# Altium PCB ssmaster.PcbDoc (part 3 of 3)
Units mil, origin at the board's own origin, x right, y up, seen from the top; angles counter-clockwise.
Board outline 3937.01 x 2755.91 mil, 4 copper layers (Top Layer, Ground Plane 1, Mid-Layer 1, Bottom Layer); 130 components, 268 nets, 1033 pads, 451 vias.
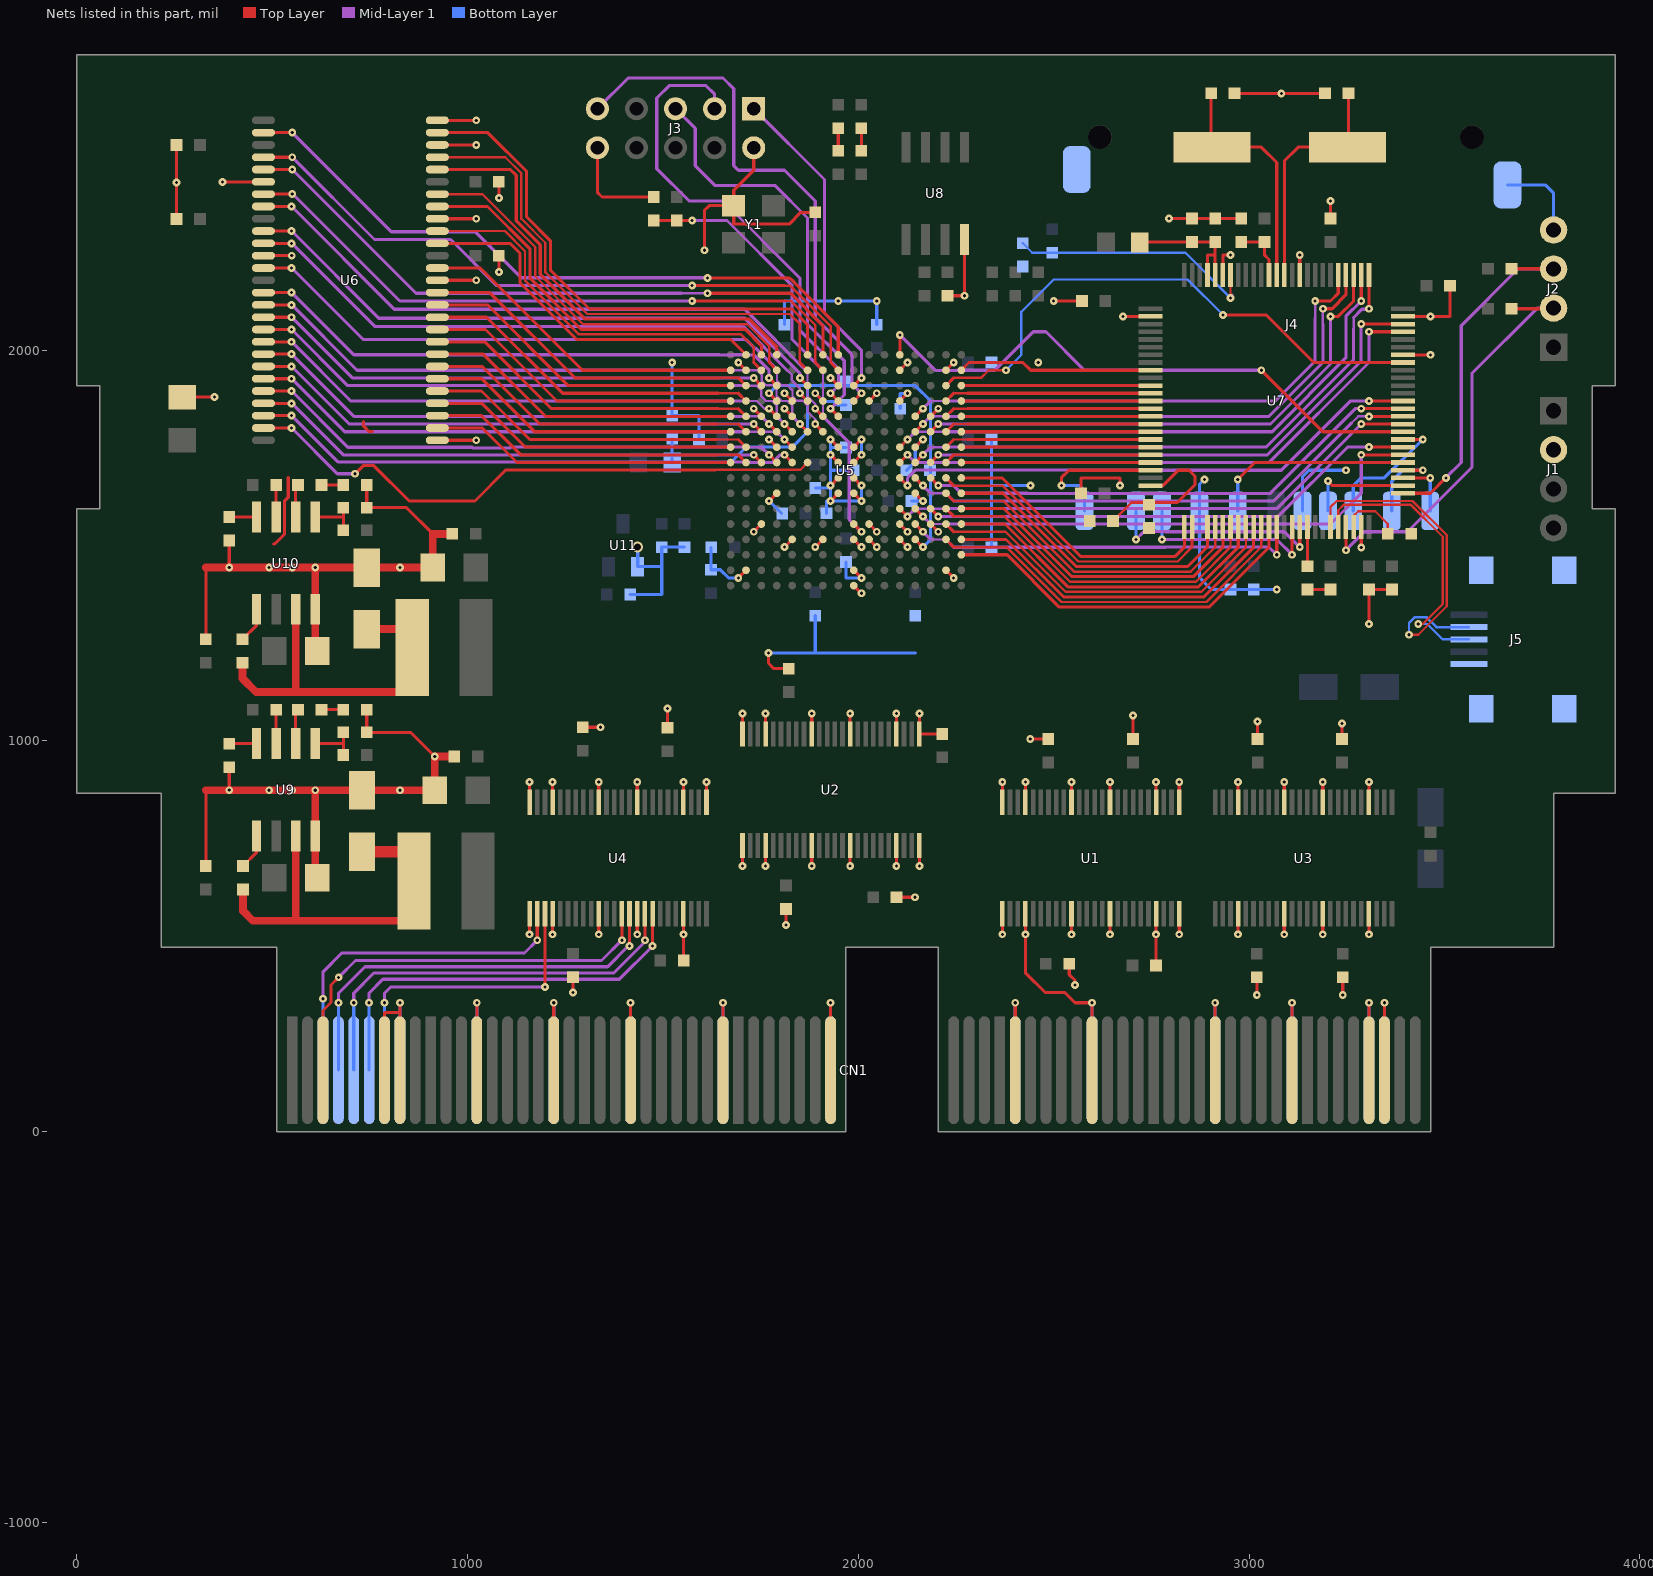
[diagram p5: the nets of this part, all layers, seen from the top]

## Via types
v1: diameter 20, hole 8, Top Layer to Bottom Layer, 430 vias
v2: diameter 28, hole 18, Top Layer to Bottom Layer, 18 vias
v3: diameter 35.43, hole 35.43, Top Layer to Bottom Layer, 2 vias
v4: diameter 50, hole 28, Top Layer to Bottom Layer, 1 vias

## Nets (pads, with @x,y where several pads share a name; then routed paths per layer and width w, separated by ;. In a path a pad name is that pad's centre, name@x,y a point inside that pad or via, vN(x,y) a via of type N, cw(c..) or ccw(c..) an arc to the next point about the centre after c; other vN are vias at no path point) (continued)
GND: C1.1 C2.1 C3.1 C4.1 C5.2 C6.2 C7.2 C8.1 C9.1 C10.1 C11.1 C12.1 C13.1 C14.1 C15.1 C16.2 C17.1 C18.1 C19.1 C20.1 C21.1 C24.2 C25.1 C26.1 C27.1 C30.2 C31.1 C32.1 C33.1 C34.1 C35.1 C36.1 C37.1 C38.1 C39.1 C40.1 C41.1 C42.1 C43.1 C44.1 C45.1 C46.1 C47.1 C48.1 C49.1 C50.1 C51.1 C52.1 C53.1 C54.1 C55.1 C56.1 C57.1 C58.1 C59.1 C60.1 C61.1 C62.1 C63.1 C64.1 C65.1 C66.1 C67.1 C68.1 C69.1 C70.1 C71.1 C72.1 C73.1 C74.1 C75.2 C76.1 CN1.A8 CN1.A13 CN1.A18 CN1.A23 CN1.A29 CN1.A36 CN1.A41 CN1.A46 CN1.A54 CN1.A59 CN1.A64 CN1.A65 CN1.B7 CN1.B8 CN1.B13 CN1.B18 CN1.B23 CN1.B29 CN1.B36 CN1.B41 CN1.B46 CN1.B54 CN1.B59 CN1.B64 CN1.B65 D5.1 D6.1 J1.2 J2.4 J3.2 J3.10 J4.3 J4.6 J4.12 J4.13 J5.5 J5.6 J5.7 J5.8 J5.9 R7.1 R9.2 R10.1 R13.2 R14.1 R23.2 R24.2 U1.1 U1.4 U1.10 U1.15 U1.21 U1.24 U1.25 U1.28 U1.34 U1.39 U1.45 U1.48 U2.1 U2.4 U2.10 U2.15 U2.21 U2.24 U2.25 U2.28 U2.34 U2.39 U2.45 U2.48 U3.4 U3.10 U3.15 U3.21 U3.28 U3.34 U3.39 U3.45 U4.1 U4.4 U4.10 U4.15 U4.21 U4.25 U4.28 U4.34 U4.39 U4.45 U4.48 U5.B2 U5.B15 U5.C5 U5.C12 U5.D7 U5.D10 U5.E2 U5.E4 U5.E12 U5.E13 U5.G4 U5.G12 U5.G13 U5.H7 U5.H8 U5.H9 U5.H10 U5.H13 U5.H15 U5.H16 U5.J3 U5.J7 U5.J8 U5.J9 U5.J10 U5.K4 U5.K13 U5.M4 U5.M5 U5.M13 U5.N7 U5.N10 U5.P5 U5.P12 U5.R2 U5.R15 U6.6 U6.12 U6.28 U6.41 U6.46 U6.52 U6.54 U7.10 U7.20 U7.27 U7.74 U7.94 U7.99 U8.4 U9.4 U10.4 U11.1 Y1.2 | length 19038.5
  Top Layer w8: C2.1@255,2336 v1(255,2429.13) C1.1@255,2525 ; C5.2@270,1880.12 v1(352.56,1880.12) ; C20.1@330,680 330,873.03 ; C26.1@330,1260 330,1443.03 ; v1(372.44,2430.97) U6.6@477.56,2430.97 ; v1(390,873.98) C21.1@390,933 ; v1(390,1443.98) C27.1@390,1513 ; U6.12@477.56,2241.99 v1(550,2241.99) ; 503.94,1503.94 506.15,1503.94 531.81,1529.6 531.81,1614.6 541,1623.79 541,1674.14 ; 734.03,1816.82 734.03,1805.22 747.49,1791.77 756.2,1791.77 ; R9.2@742,1080 R10.1@742,1022 853.88,1022 v1(915.88,960) ; R13.2@742,1655 742,1633.54 R14.1@742,1597 843.62,1597 910.62,1530 ; CN1.B7@787.4,157.48 787.4,305 826.77,305 ; CN1.B8@826.77,157.48 v1(826.77,330) ; U6.28@922.44,1769.55 v1(1022.05,1769.55) ; U6.41@922.44,2179 v1(1022.05,2179) ; U6.46@922.44,2336.48 v1(1022.05,2336.48) ; U6.52@922.44,2525.46 v1(1022.05,2525.46) ; U6.54@922.44,2588.45 v1(1022.05,2588.45) ; CN1.B13@1023.62,157.48 v1(1023.62,330) ; v1(1080,2200) C4.1@1080,2242 ; v1(1080,2390) C3.1@1080,2431 ; v1(1158.62,505) U4.1@1158.62,557.28 ; U4.48@1158.62,842.72 v1(1158.62,895) ; v1(1217.68,505) U4.4@1217.68,557.28 ; U4.45@1217.68,842.72 v1(1217.68,895) ; CN1.B18@1220.47,157.48 v1(1220.47,330) ; v1(1270,356) C67.1@1270,395 ; C64.1@1295,1035 v1(1340,1035) ; J3.10@1332.28,2518.11 1332.28,2403.94 1344.02,2392.2 R7.1@1476.38,2392.2 ; v1(1335.79,505) U4.10@1335.79,557.28 ; U4.39@1335.79,842.72 v1(1335.79,895) ; CN1.B23@1417.32,157.48 v1(1417.32,330) ; v1(1434.21,505) U4.15@1434.21,557.28 ; U4.34@1434.21,842.72 v1(1434.21,895) ; C63.1@1511.81,1033.94 v1(1511.81,1082.68) ; U4.21@1552.32,557.28 v1(1552.32,505) 1553,504.32 C68.1@1553,438 ; U4.28@1552.32,842.72 v1(1552.32,895) ; v1(1606.3,2255.91) 1606.3,2358.27 1618.11,2370.08 Y1.2@1681.1,2370.08 ; U4.25@1611.38,842.72 v1(1611.38,895) ; CN1.B29@1653.54,157.48 v1(1653.54,330) ; v1(1692.91,1417.32) U5.R15@1712.6,1437.01 ; v1(1692.91,1968.5) U5.R2@1712.6,1948.82 ; v1(1703.62,680) U2.1@1703.62,732.28 ; U2.48@1703.62,1017.72 v1(1703.62,1070) ; v1(1732.28,1535.43) U5.P12@1751.97,1555.12 ; v1(1732.28,1850.39) U5.P5@1751.97,1830.71 ; J3.2@1732.28,2518.11 1732.28,2460.63 1681.1,2409.45 Y1.2@1681.1,2370.08 ; v1(1762.68,680) U2.4@1762.68,732.28 ; U2.45@1762.68,1017.72 v1(1762.68,1070) ; v1(1770,1225) 1770,1199 1784,1185 C61.1@1822,1185 ; v1(1771.65,1614.17) U5.N10@1791.34,1633.86 ; v1(1771.65,1771.65) U5.N7@1791.34,1751.97 ; v1(1811.02,1496.06) U5.M13@1830.71,1515.75 ; v1(1811.02,1850.39) U5.M5@1830.71,1830.71 ; v1(1811.02,1889.76) U5.M4@1830.71,1870.08 ; v1(1815,529) C66.1@1815,570 ; v1(1880.79,680) U2.10@1880.79,732.28 ; U2.39@1880.79,1017.72 v1(1880.79,1070) ; v1(1889.76,1496.06) U5.K13@1909.45,1515.75 ; v1(1889.76,1889.76) U5.K4@1909.45,1870.08 ; C18.1@1889.76,2352.83 1852.83,2352.83 1822.83,2322.83 1681.1,2322.83 Y1.2@1681.1,2370.08 ; CN1.B36@1929.13,157.48 v1(1929.13,330) ; v1(1929.13,1614.17) U5.J10@1948.82,1633.86 ; v1(1929.13,1653.54) U5.J9@1948.82,1673.23 ; v1(1929.13,1732.28) U5.J8@1948.82,1712.6 ; v1(1929.13,1771.65) U5.J7@1948.82,1751.97 ; v1(1929.13,1929.13) U5.J3@1948.82,1909.45 ; v1(1979.21,680) U2.15@1979.21,732.28 ; U2.34@1979.21,1017.72 v1(1979.21,1070) ; U5.H16@1988.19,1397.64 v1(2007.87,1377.95) ; U5.H15@1988.19,1437.01 v1(2007.87,1417.32) ; U5.H13@1988.19,1515.75 v1(2007.87,1496.06) ; U5.H10@1988.19,1633.86 v1(2007.87,1614.17) ; U5.H9@1988.19,1673.23 v1(2007.87,1653.54) ; U5.H8@1988.19,1712.6 v1(2007.87,1732.28) ; U5.H7@1988.19,1751.97 v1(2007.87,1771.65) ; U5.G13@2027.56,1515.75 v1(2047.24,1496.06) ; U5.G12@2027.56,1555.12 v1(2047.24,1535.43) ; U5.G4@2027.56,1870.08 v1(2047.24,1889.76) ; v1(2097.32,680) U2.21@2097.32,732.28 ; U2.28@2097.32,1017.72 v1(2097.32,1070) ; C65.1@2098,600 v1(2145,600) ; U5.E13@2106.3,1515.75 v1(2125.99,1496.06) ; U5.E12@2106.3,1555.12 v1(2125.99,1535.43) ; U5.E4@2106.3,1870.08 v1(2125.99,1889.76) ; U5.E2@2106.3,1948.82 v1(2125.99,1968.5) ; U5.D10@2145.67,1633.86 v1(2165.36,1614.17) ; U5.D7@2145.67,1751.97 v1(2165.36,1771.65) ; v1(2156.38,680) U2.24@2156.38,732.28 ; v1(2156.38,1070) U2.25@2156.38,1017.72 C62.1@2214.72,1017.72 ; U5.C12@2185.04,1555.12 v1(2204.73,1535.43) ; U5.C5@2185.04,1830.71 v1(2204.73,1850.39) ; U5.B15@2224.41,1437.01 v1(2244.09,1417.32) ; U5.B2@2224.41,1948.82 v1(2244.1,1968.5) ; C17.1@2228.35,2139.29 v1(2271.85,2139.29) U8.4@2271.85,2283.46 ; v1(2368.62,505) U1.1@2368.62,557.28 ; U1.48@2368.62,842.72 v1(2368.62,895) ; CN1.B41@2401.58,157.48 v1(2401.58,330) ; U1.4@2427.68,557.28 v1(2427.68,505) 2427.68,406.81 2478.48,356 2528.53,356 2554.53,330 v1(2598.43,330) CN1.B46@2598.43,157.48 ; U1.45@2427.68,842.72 v1(2427.68,895) ; v1(2440,1005) C60.1@2486,1005 ; v1(2500,2125.98) C10.1@2572.36,2125.98 ; C72.1@2540,430 2540,402 2555,387 v1(2555,375) ; v1(2545.79,505) U1.10@2545.79,557.28 ; U1.39@2545.79,842.72 v1(2545.79,895) ; C11.1@2570,1634 2570,1672.83 2670.17,1672.83 v1(2670.17,1653.54) ; v1(2644.21,505) U1.15@2644.21,557.28 ; U1.34@2644.21,842.72 v1(2644.21,895) ; v1(2677.17,2086.61) U7.27@2748.03,2086.61 ; C59.1@2703,1005 v1(2703,1065) ; C71.1@2762,425 v1@2762,504.68 ; v1(2762.32,505) U1.21@2762.32,557.28 ; U1.28@2762.32,842.72 v1(2762.32,895) ; v1(2795.27,2337.09) C14.1@2854.33,2337.09 C15.1@2913.39,2337.09 C16.2@2980.31,2337.09 ; v1(2821.38,505) U1.24@2821.38,557.28 ; U1.25@2821.38,842.72 v1(2821.38,895) ; CN1.B54@2913.39,157.48 v1(2913.39,330) ; U7.20@2933.07,2192.91 2933.07,2244.09 v1(2952.76,2244.09) ; C7.2@2963.07,2657.48 v1(3082.67,2657.48) C6.2@3194.41,2657.48 ; v1(2972.18,505) U3.4@2972.18,557.28 ; U3.45@2972.18,842.72 v1(2972.18,895) ; v1(3020,350) C70.1@3020,395 ; C58.1@3022,1005 v1(3022,1050) ; v1(3090.29,505) U3.10@3090.29,557.28 ; U3.39@3090.29,842.72 v1(3090.29,895) ; CN1.B59@3110.24,157.48 v1(3110.24,330) ; U7.10@3129.92,2192.91 v1(3129.92,2244.09) ; v1(3188.71,505) U3.15@3188.71,557.28 ; U3.34@3188.71,842.72 v1(3188.71,895) ; C9.1@3208.66,2337.09 v1(3208.66,2381.89) ; C57.1@3238,1005 v1(3238,1045) ; v1(3240,350) C69.1@3240,395 ; v1(3287.4,1495.38) U7.74@3287.4,1547.24 ; v1(3306.82,505) U3.21@3306.82,557.28 ; U3.28@3306.82,842.72 v1(3306.82,895) ; CN1.B64@3307.09,157.48 v1(3307.09,330) ; v1(3307.09,1299.21) C12.1@3307.09,1387.32 C13.1@3366.14,1387.32 ; CN1.B65@3346.46,157.48 v1(3346.46,330) ; U7.94@3393.7,1988.19 v1(3464.57,1988.19) ; U7.99@3393.7,2086.61 v1(3464.57,2086.61) 3514.25,2086.61 C8.1@3514.25,2165.35
  Top Layer w20: 330,873.74 v1(492.12,873.74) v1(551.18,873.74) D5.1@730,873.74 v1(826.77,873.74) C24.2@915.62,873.74 ; 330,1443.74 v1(492.12,1443.74) v1(551.18,1443.74) D6.1@742,1443.74 v1(826.77,1443.74) 910.62,1443.74 910.62,1530 C55.1@961,1530 ; C19.1@610,655.12 U9.4@610,756.89 v1(610,873.74) ; C25.1@610,1235.12 U10.4@610,1336.89 v1(610,1443.5) ; C24.2@915.88,874 v1(915.88,960) C54.1@966,960
  Bottom Layer w8: CN1.A8@826.77,157.48 v1(826.77,330) ; CN1.A13@1023.62,157.48 v1(1023.62,330) ; CN1.A18@1220.47,157.48 v1(1220.47,330) ; C31.1@1416.19,1375 1497,1375 1497,1446.08 ; CN1.A23@1417.32,157.48 v1(1417.32,330) ; v2(1435.4,1496.06) U11.1@1435.4,1446.08 1497,1446.08 ; v1(1523.62,1968.5) C49.1@1523.62,1833.15 1592.05,1833.15 C40.1@1592.05,1771.65 ; C56.1@1555,1496 C32.1@1497,1496 1497,1446.08 ; C41.1@1623,1495.52 C39.1@1623,1438 1647,1438 1667.68,1417.32 v1(1692.91,1417.32) ; CN1.A29@1653.54,157.48 v1(1653.54,330) ; v1(1770,1225) 1889.76,1225 ; v1(1771.65,1614.17) C52.1@1803.82,1582 ; C47.1@1811.02,2065.43 1811.02,2125.98 v1(1948.82,2125.98) v1(2047.24,2125.98) C46.1@2047.24,2065.43 ; C42.1@1889.76,1320.39 1889.76,1225 ; v1(1889.76,1889.76) 1911.13,1868.39 1936.59,1868.39 1945.22,1859.76 C50.1@1968.5,1859.76 ; C37.1@1890,1647.44 1929.13,1647.44 v1(1929.13,1614.17) v1(2007.87,1614.17) v1(2007.87,1653.54) ; C38.1@1918.82,1582.68 1918.82,1614.17 ; CN1.A36@1929.13,157.48 v1(1929.13,330) ; v1(1929.13,1653.54) v1(1929.13,1732.28) v1(1929.13,1771.65) ; 1929.13,1692.91 C36.1@1987.91,1692.91 ; 1930,1751.1 C35.1@1968.5,1751.1 ; C53.1@1968.5,1458.19 1968.5,1417.32 v1(2007.87,1417.32) ; v1(2007.87,1732.28) v1(2007.87,1771.65) ; C33.1@2107.24,1850.39 2107.24,1888.82 v1@2125.04,1888.82 ; C51.1@2123.54,1692.91 2145.67,1715.04 2145.67,1751.97 v1(2165.36,1771.65) ; C34.1@2136.3,1614.17 v1(2165.36,1614.17) ; 2145.67,1225 1889.76,1225 ; C44.1@2341.02,1496.06 2341.02,1653.54 ; C45.1@2341.02,1771.65 2341.02,1653.54 ; CN1.A41@2401.58,157.48 v1(2401.58,330) ; v1(2440.94,1653.54) 2341.02,1653.54 ; CN1.A46@2598.43,157.48 v1(2598.43,330) ; v1(2885.83,1669.29) 2872.83,1656.3 J4.6@2872.83,1588.58 2872.83,1418.5 2904.02,1387.32 C74.1@2952.76,1387.32 C73.1@3011.81,1387.32 v1(3070.86,1387.32) ; CN1.A54@2913.39,157.48 v1(2913.39,330) ; CN1.A59@3110.24,157.48 v1(3110.24,330) ; J4.3@3137.01,1588.58 3137.01,1676.38 3153.54,1692.91 v1(3248.03,1692.91) ; CN1.A64@3307.09,157.48 v1(3307.09,330) ; CN1.A65@3346.46,157.48 v1(3346.46,330) ; J4.13@3661.42,2423.23 3757.87,2423.23 3779.53,2401.57 J2.4@3779.53,2307.87
  other v1: 2460.63,1968.5
GPIO0: U5.A2 U7.34 | length 500.6
  Top Layer w8: U5.A2@2263.78,1948.82 2283.46,1968.5 2421.26,1968.5 2440.94,1948.82 U7.34@2748.03,1948.82
GPIO1: U5.B3 U7.93 | length 1442.3
  Top Layer w6: 2244.09,1929.13 2314.15,1929.13 2333.83,1948.82 v1(2377.95,1948.82)
  Top Layer w8: U5.B3@2224.41,1909.45 2244.09,1929.13 ; v1(2933.07,2090.55) 3043.31,2090.55 3165.35,1968.5 U7.93@3393.7,1968.5
  Mid-Layer 1 w6: v1(2933.07,2090.55) v1@2940.94,2090.55
  Bottom Layer w6: v1(2377.95,1948.82) 2417.32,1988.19 2417.32,2098.43 2500,2181.1 2842.52,2181.1 v1(2933.07,2090.55)
GPIO2: U5.A3 U7.36 | length 484.3
  Top Layer w8: U5.A3@2263.78,1909.45 U7.36@2748.03,1909.45
GPIO3: U5.B4 U7.37 | length 531.8
  Top Layer w6: 2244.09,1889.76 2279.53,1889.76
  Top Layer w8: U5.B4@2224.41,1870.08 2244.09,1889.76 ; 2279.53,1889.76 U7.37@2748.03,1889.76
I2S2_MCK: U5.D12 U7.63 | length 1028.9
  Top Layer w8: U5.D12@2145.67,1555.12 v1(2165.36,1535.43) ; v1(3070.87,1476.38) U7.63@3070.87,1547.24
  Mid-Layer 1 w6: 2185.04,1515.75 2224.41,1515.75
  Mid-Layer 1 w8: v1(2165.36,1535.43) 2185.04,1515.75 ; 2224.41,1515.75 2244.41,1495.74 2785.84,1495.74 2786.16,1496.06 3051.18,1496.06 v1(3070.87,1476.38)
IBCK: CN1.A5 U4.16 | length 1068.2
  Top Layer w8: v1(1453.9,490) U4.16@1453.9,557.28
  Mid-Layer 1 w8: v1(708.66,330) 708.66,354.66 760,406 1374.02,406 1453.9,485.88 v1(1453.9,490)
  Bottom Layer w8: CN1.A5@708.66,157.48 v1(708.66,330)
ILRCK: CN1.A6 U4.17 | length 1055
  Top Layer w8: v1(1473.58,475) U4.17@1473.58,557.28
  Mid-Layer 1 w8: v1(748.03,330) 748.03,354.97 783.06,390 1388.58,390 v1(1473.58,475)
  Bottom Layer w8: CN1.A6@748.03,157.48 v1(748.03,330)
ISD: CN1.A4 U4.14 | length 1074
  Top Layer w8: v1(1414.53,475) U4.14@1414.53,557.28
  Mid-Layer 1 w8: v1(669.29,330) 669.29,353.71 737.58,422 1358.27,422 1411.27,475 v1(1414.53,475)
  Bottom Layer w8: CN1.A4@669.29,157.48 v1(669.29,330)
MA0: U5.N8 U6.23 | length 1391.6
  Top Layer w8: U6.23@477.56,1895.54 v1(549.61,1895.54) ; v1(1771.65,1732.28) U5.N8@1791.34,1712.6
  Mid-Layer 1 w6: 1716.54,1751.97 1751.97,1751.97
  Mid-Layer 1 w8: v1(549.61,1895.54) 693.59,1751.55 1011.76,1751.55 1013.76,1749.55 1107.82,1749.55 1110.24,1751.97 1716.54,1751.97 ; 1751.97,1751.97 v1(1771.65,1732.28)
MA1: U5.P8 U6.24 | length 1337.1
  Top Layer w8: U6.24@477.56,1864.04 v1(549.61,1864.04) ; v1(1732.28,1732.28) U5.P8@1751.97,1712.6
  Mid-Layer 1 w8: v1(549.61,1864.04) 681.36,1732.28 v1(1732.28,1732.28)
MA2: U5.M8 U6.25 | length 1419.4
  Top Layer w8: U6.25@477.56,1832.54 v1(549.61,1832.54) ; v1(1811.02,1732.28) U5.M8@1830.71,1712.6
  Mid-Layer 1 w8: v1(549.61,1832.54) 667.86,1714.28 1722,1714.28 1724,1712.28 1779.94,1712.28 1799.94,1732.28 v1(1811.02,1732.28)
MA3: U5.L8 U6.26 | length 1527.9
  Top Layer w6: 1634.7,1693.76 1851.24,1693.76 U5.L8@1870.08,1712.6
  Top Layer w8: U6.26@477.56,1801.05 v1(549.61,1801.05) ; v1(712,1684) 732.72,1704.72 759.84,1704.72 850.39,1614.17 1018.84,1614.17 1098.43,1693.76 1634.7,1693.76
  Mid-Layer 1 w8: v1(549.61,1801.05) 666.65,1684 v1(712,1684)
MA4: U5.T8 U6.29 | length 787.4
  Top Layer w8: U6.29@922.44,1801.05 1037.95,1801.05 1126.4,1712.6 U5.T8@1673.23,1712.6
MA5: U5.R8 U6.30 | length 839.8
  Top Layer w6: 1637.8,1732.28 1692.91,1732.28
  Top Layer w8: U6.30@922.44,1832.54 1035.46,1832.54 1135.72,1732.28 1637.8,1732.28 ; 1692.91,1732.28 U5.R8@1712.6,1712.6
MA6: U5.T7 U6.31 | length 797.2
  Top Layer w8: U6.31@922.44,1864.04 1035.96,1864.04 1148.03,1751.97 U5.T7@1673.23,1751.97
MA7: U5.R7 U6.32 | length 849.6
  Top Layer w6: 1637.8,1771.65 1692.91,1771.65
  Top Layer w8: U6.32@922.44,1895.54 1035.46,1895.54 1159.35,1771.65 1637.8,1771.65 ; 1692.91,1771.65 U5.R7@1712.6,1751.97
MA8: U5.T6 U6.33 | length 807
  Top Layer w8: U6.33@922.44,1927.03 1035.97,1927.03 1171.66,1791.34 U5.T6@1673.23,1791.34
MA9: U5.R6 U6.34 | length 859.4
  Top Layer w6: 1637.8,1811.02 1692.91,1811.02
  Top Layer w8: U6.34@922.44,1958.53 1037.47,1958.53 1184.98,1811.02 1637.8,1811.02 ; 1692.91,1811.02 U5.R6@1712.6,1791.34
MA10: U5.M7 U6.22 | length 1425.7
  Top Layer w8: U6.22@477.56,1927.03 v1(549.61,1927.03) ; v1(1811.02,1771.65) U5.M7@1830.71,1751.97
  Mid-Layer 1 w6: 1716.54,1791.34 1791.34,1791.34
  Mid-Layer 1 w8: v1(549.61,1927.03) 685.3,1791.34 1716.54,1791.34 ; 1791.34,1791.34 v1(1811.02,1771.65)
MA11: U5.T5 U6.35 | length 816.8
  Top Layer w8: U6.35@922.44,1990.02 1039.98,1990.02 1199.29,1830.71 U5.T5@1673.23,1830.71
MA12: U5.R5 U6.36 | length 869.2
  Top Layer w6: 1641.73,1850.39 1692.91,1850.39
  Top Layer w8: U6.36@922.44,2021.52 1043.48,2021.52 1214.61,1850.39 1641.73,1850.39 ; 1692.91,1850.39 U5.R5@1712.6,1830.71
MA13: U5.R3 U6.40 | length 888.8
  Top Layer w6: 1641.73,1929.13 1692.91,1929.13
  Top Layer w8: U6.40@922.44,2147.5 1056.5,2147.5 1274.87,1929.13 1641.73,1929.13 ; 1692.91,1929.13 U5.R3@1712.6,1909.45
MBA0: U5.N6 U6.20 | length 1396.1
  Top Layer w8: U6.20@477.56,1990.02 v1(549.61,1990.02) ; v1(1771.65,1811.02) U5.N6@1791.34,1791.34
  Mid-Layer 1 w6: 1712.6,1830.71 1751.97,1830.71
  Mid-Layer 1 w8: v1(549.61,1990.02) 708.92,1830.71 1712.6,1830.71 ; 1751.97,1830.71 v1(1771.65,1811.02)
MBA1: U5.P6 U6.21 | length 1343.7
  Top Layer w8: U6.21@477.56,1958.53 v1(549.61,1958.53) ; v1(1732.28,1811.02) U5.P6@1751.97,1791.34
  Mid-Layer 1 w8: v1(549.61,1958.53) 697.11,1811.02 v1(1732.28,1811.02)
MCAS: U5.P3 U6.17 | length 1346.9
  Top Layer w8: U6.17@477.56,2084.51 v1(549.61,2084.51) ; v1(1732.28,1929.13) U5.P3@1751.97,1909.45
  Mid-Layer 1 w8: v1(549.61,2084.51) 704.98,1929.13 v1(1732.28,1929.13)
MCKE: U5.T4 U6.37 | length 826.6
  Top Layer w8: U6.37@922.44,2053.02 1045.98,2053.02 1228.92,1870.08 U5.T4@1673.23,1870.08
MCLK: U5.R4 U6.38 | length 879
  Top Layer w6: 1641.73,1889.76 1692.91,1889.76
  Top Layer w8: U6.38@922.44,2084.51 1048.49,2084.51 1243.24,1889.76 1641.73,1889.76 ; 1692.91,1889.76 U5.R4@1712.6,1870.08
MCS: U5.N5 U6.19 | length 1392.8
  Top Layer w8: U6.19@477.56,2021.52 v1(549.61,2021.52) ; v1(1771.65,1850.39) U5.N5@1791.34,1830.71
  Mid-Layer 1 w6: 1716.54,1870.08 1740.16,1870.08 1759.84,1850.39 v1(1771.65,1850.39)
  Mid-Layer 1 w8: v1(549.61,2021.52) 701.05,1870.08 1716.54,1870.08
MD0: U5.J1 U6.2 | length 1768.9
  Top Layer w8: U6.2@477.56,2556.95 v1(551.18,2556.95) ; v1(1614.17,2185.04) 1824.21,2185.04 1843.21,2166.04 ; 1829.29,2179.96 1843.21,2166.04 ; U5.J1@1948.82,1988.19 1948.82,2060.43 1843.21,2166.04
  Mid-Layer 1 w8: v1(551.18,2556.95) 804.98,2303.15 1019.69,2303.15 1137.48,2185.35 1613.86,2185.35 v1(1614.17,2185.04)
MD1: U5.J2 U6.4 | length 1751.7
  Top Layer w6: 1811.02,2165.35 1825.51,2165.35 1929.13,2061.73 1929.13,1968.5
  Top Layer w8: U6.4@477.56,2493.96 v1(551.18,2493.96) ; v1(1574.8,2165.35) 1811.02,2165.35 ; 1929.13,1968.5 U5.J2@1948.82,1948.82
  Mid-Layer 1 w8: v1(551.18,2493.96) 761.68,2283.46 956.69,2283.46 1074.8,2165.35 v1(1574.8,2165.35)
MD2: U5.K1 U6.5 | length 1672.2
  Top Layer w8: U6.5@477.56,2462.46 v1(551.18,2462.46) ; v1(1614.17,2145.67) 1826.81,2145.67 1909.45,2063.03 U5.K1@1909.45,1988.19
  Mid-Layer 1 w6: 1547.24,2145.67 v1(1614.17,2145.67)
  Mid-Layer 1 w8: v1(551.18,2462.46) 867.98,2145.67 1547.24,2145.67
MD3: U5.K2 U6.7 | length 1674.7
  Top Layer w6: 1814.96,2125.98 1828.11,2125.98 1889.76,2064.33 1889.76,1968.5
  Top Layer w8: U6.7@477.56,2399.47 v1(551.18,2399.47) ; v1(1574.8,2125.98) 1814.96,2125.98 ; 1889.76,1968.5 U5.K2@1909.45,1948.82
  Mid-Layer 1 w8: v1(551.18,2399.47) 553.28,2399.47 826.77,2125.98 v1(1574.8,2125.98)